# KiCad board HandheldPIC32.kicad_pcb
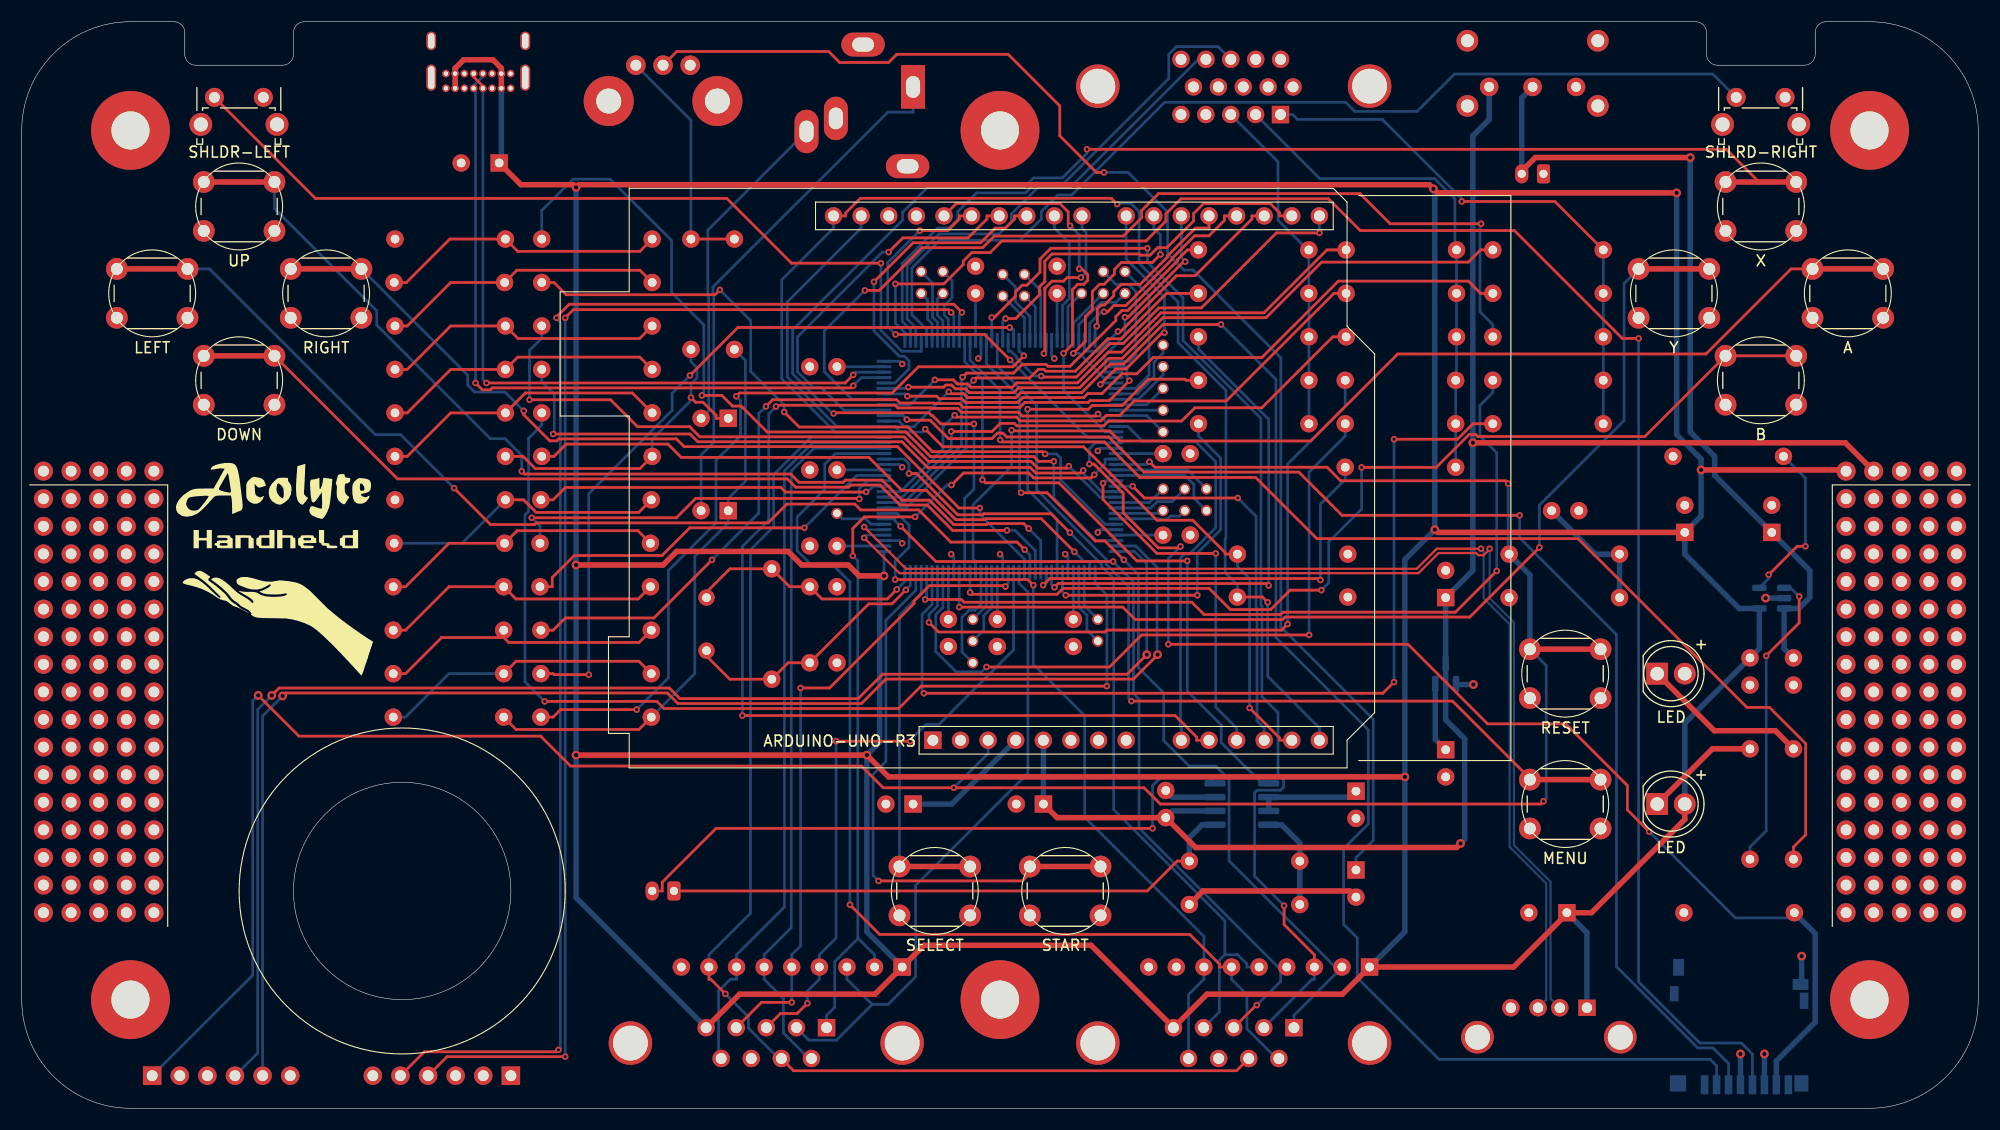
[diagram p0: board, top side]
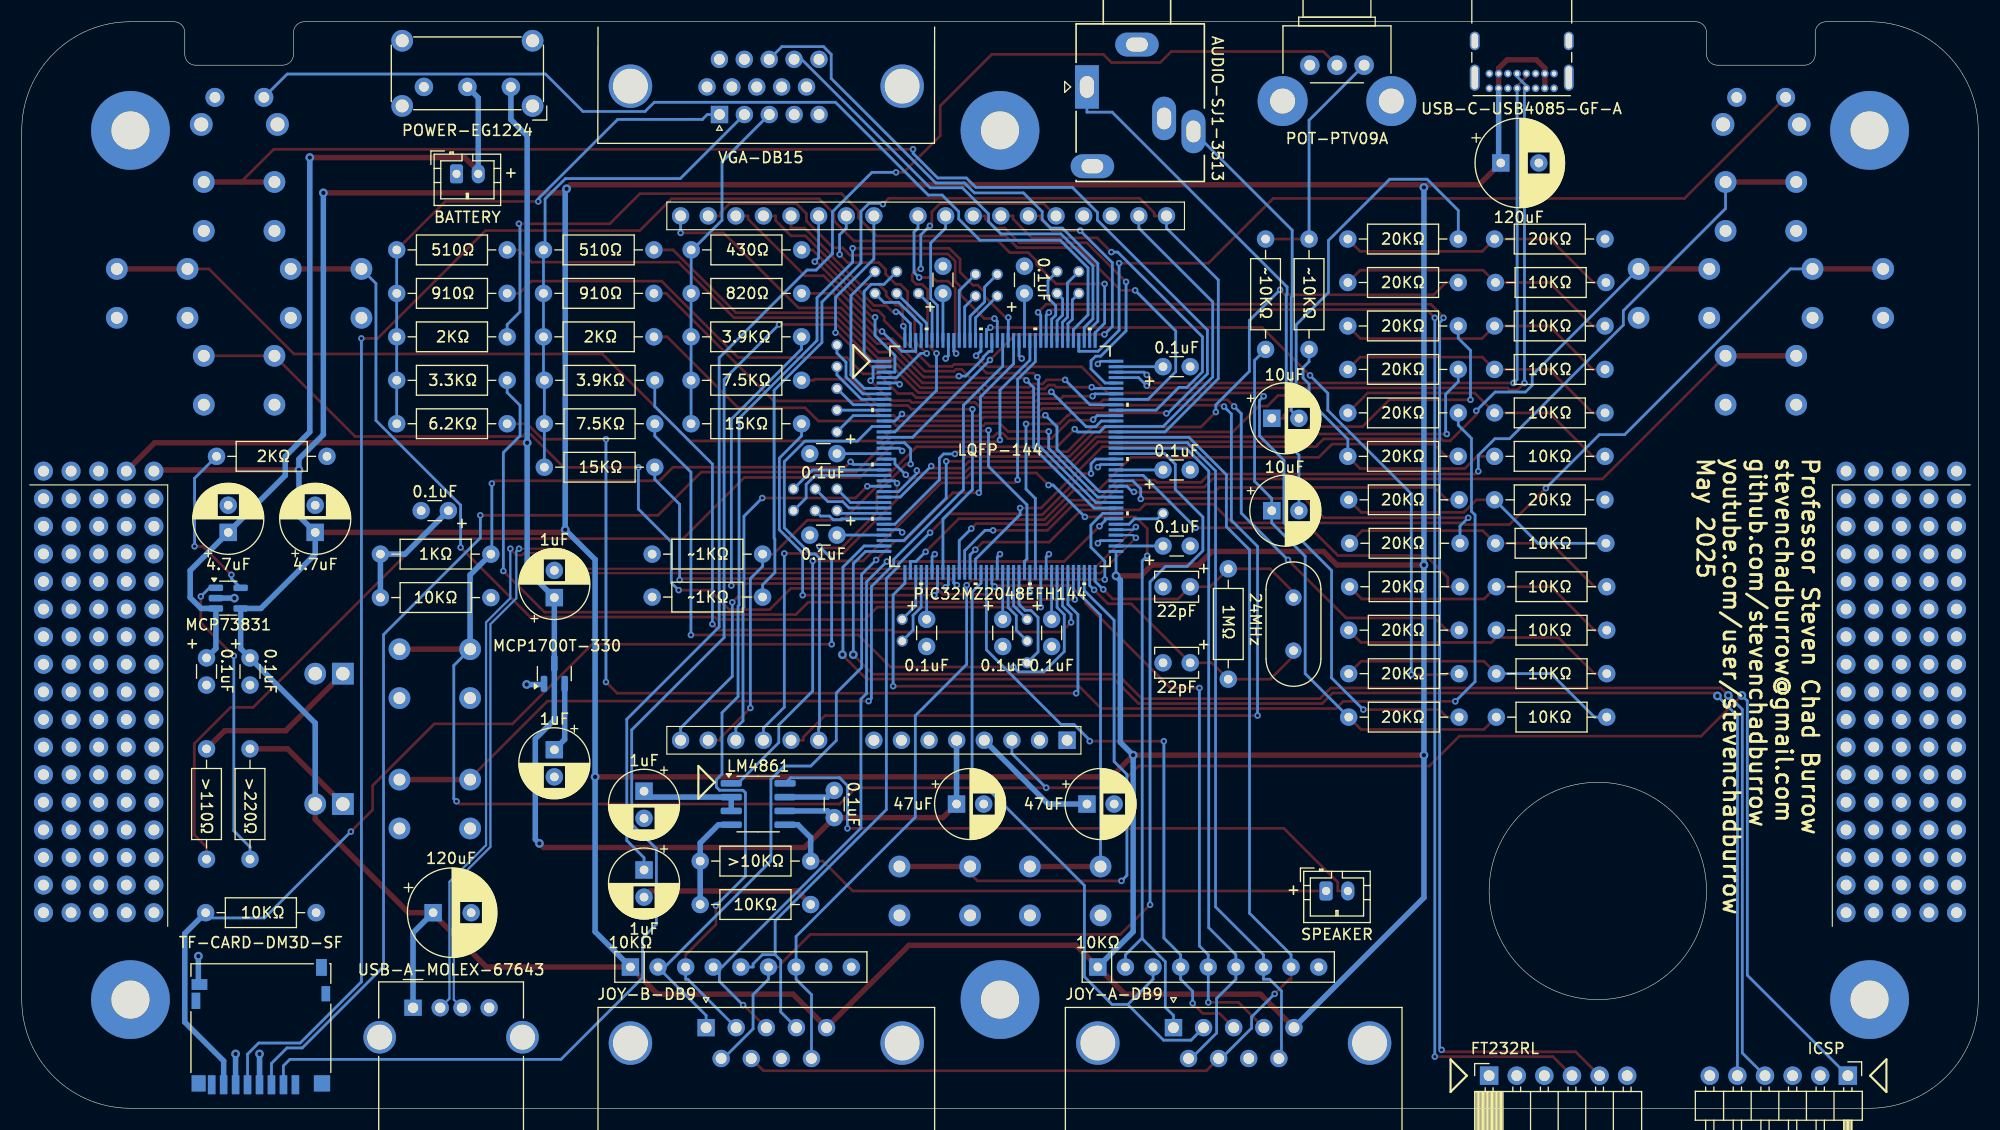
[diagram p1: board, bottom side, seen from below]

Outline 180 x 100 mm; copper layers: Top, In1.Cu, In2.Cu, Bottom. Coordinates in mm from the lower left corner of the outline.
Outline path: circle c35,20 r10 ; 0,90 0,10 arc(2.93,2.93) 10,0 170,0 arc(177.07,2.93) 180,10 180,90 arc(177.07,97.07) 170,100 166,100 arc(165.29,99.71) 165,99 165,97 arc(164.71,96.29) 164,96 156,96 arc(155.29,96.29) 155,97 155,99 arc(154.71,99.71) 154,100 26,100 arc(25.29,99.71) 25,99 25,97 arc(24.71,96.29) 24,96 16,96 arc(15.29,96.29) 15,97 15,99 arc(14.71,99.71) 14,100 10,100 arc(2.93,97.07) 0,90
Stack: Top 0.035mm / dielectric 0.1mm FR4 er 4.5 / In1.Cu 0.035mm / dielectric 1.24mm FR4 er 4.5 / In2.Cu 0.035mm / dielectric 0.1mm FR4 er 4.5 / Bottom 0.035mm

## Placement (name value [footprint] x y rotation side)
A1  Arduino_UNO_R3  [Arduino_UNO_R3-modified]  83.82 33.87 0 top
BT1  Battery_Cell  [JST_PH_B2B-PH-K_1x02_P2.00mm_Vertical]  140 86 180 bottom
C1  C_Polarized_Small_US  [CP_Radial_D6.3mm_P2.50mm]  131 47 90 bottom
C2  C  [C_Disc_D3.8mm_W2.6mm_P2.50mm]  72.5 41 0 bottom
C3  C  [C_Disc_D3.8mm_W2.6mm_P2.50mm]  72.5 48 0 bottom
C4  C_Small  [C_Disc_D3.0mm_W1.6mm_P2.50mm]  163 41.45 270 bottom
C5  C_Small  [C_Disc_D3.0mm_W1.6mm_P2.50mm]  143.25 55 180 bottom
C6  C_Small  [C_Disc_D3.0mm_W1.6mm_P2.50mm]  95.25 77.5 270 bottom
C7  C_Small  [C_Disc_D3.0mm_W1.6mm_P2.50mm]  87.75 77.5 270 bottom
C8  C_Small  [C_Disc_D3.0mm_W1.6mm_P2.50mm]  72.5 68.25 0 bottom
C9  C_Small  [C_Disc_D3.0mm_W1.6mm_P2.50mm]  72.5 58.75 0 bottom
C10  C_Small  [C_Disc_D3.0mm_W1.6mm_P2.50mm]  72.5 51.75 0 bottom
C11  C_Small  [C_Disc_D3.0mm_W1.6mm_P2.50mm]  85.25 42.5 90 bottom
C12  C_Small  [C_Disc_D3.0mm_W1.6mm_P2.50mm]  89.75 42.5 90 bottom
C13  C_Small  [C_Disc_D3.0mm_W1.6mm_P2.50mm]  96.75 42.5 90 bottom
C14  C_Small  [C_Disc_D3.0mm_W1.6mm_P2.50mm]  107.5 52.75 180 bottom
C15  C_Small  [C_Disc_D3.0mm_W1.6mm_P2.50mm]  107.5 60.25 180 bottom
C16  C_Polarized_Small_US  [CP_Radial_D8.0mm_P3.50mm]  43.93 87 180 bottom
C17  C_Polarized_Small_US  [CP_Radial_D8.0mm_P3.50mm]  142.15 18 180 bottom
C18  C_Polarized_Small_US  [CP_Radial_D6.3mm_P2.50mm]  122.75 29.18 270 bottom
C19  C_Polarized_Small_US  [CP_Radial_D6.3mm_P2.50mm]  122.75 21.93 270 bottom
C20  C_Small  [C_Disc_D3.0mm_W1.6mm_P2.50mm]  159 41.45 270 bottom
C21  C_Polarized_Small_US  [CP_Radial_D6.3mm_P2.50mm]  65 55 180 bottom
C22  C_Polarized_Small_US  [CP_Radial_D6.3mm_P2.50mm]  82 28 180 bottom
C23  C_Polarized_Small_US  [CP_Radial_D6.3mm_P2.50mm]  131 33 270 bottom
C24  C_Polarized_Small_US  [CP_Radial_D6.3mm_P2.50mm]  94 28 180 bottom
C25  C_Polarized_Small_US  [CP_Radial_D6.3mm_P2.50mm]  161 53 90 bottom
C26  C_Polarized_Small_US  [CP_Radial_D6.3mm_P2.50mm]  153 53 90 bottom
C27  C_Polarized_Small_US  [CP_Radial_D6.3mm_P2.50mm]  65 63.5 180 bottom
C33  C_Small  [C_Disc_D3.0mm_W1.6mm_P2.50mm]  105.25 26.75 90 bottom
D1  LED  [CustomLED]  150.46 40 0 top
D3  LED  [CustomLED]  150.46 28 0 top
G100  LOGO  [AcolyteTitle]  23.5 57 0 top
G101  LOGO  [HandheldNoPIC]  23.5 51 0 top
G102  LOGO  [HandheldImage]  23.5 45 0 top
J1  DE15_Receptacle_HighDensity  [DSUB-15-HD_Female_Horizontal_P2.29x2.54mm_VGA]  115.81 91.46 0 bottom
J2  Conn_01x06  [PinHeader_1x06_P2.54mm_Horizontal]  12 3 270 bottom
J3  Conn_01x06  [PinSocket_1x06_P2.54mm_Horizontal]  45 3 90 bottom
J4  AudioJack3  [BIGJack_3.5mm_Ledino_KB3SPRS_Horizontal]  82 94 270 bottom
J6  USB_A  [USB_A_Molex_67643_Horizontal]  144 9.25 180 bottom
J8  DE9_Plug  [DSUB-9_Male_Horizontal_P2.77x2.84mm_EdgePinOffset7.70mm_Housed_MountingHolesOffset9.12mm]  74.04 7.42 180 bottom
J9  DE9_Plug  [DSUB-9_Male_Horizontal_P2.77x2.84mm_EdgePinOffset7.70mm_Housed_MountingHolesOffset9.12mm]  117.04 7.42 180 bottom
J10  USB_C_Receptacle  [USB_C_Receptacle_GCT_USB4085]  39.03 93.88 0 bottom
J11  Micro_TF_Card  [microSD_HC_Hirose_DM3D-SF]  158 7.51 180 bottom
LS1  Speaker  [JST_PH_B2B-PH-K_1x02_P2.00mm_Vertical]  60 20 180 bottom
R1  R_US  [R_Axial_DIN0207_L6.3mm_D2.5mm_P10.16mm_Horizontal]  118.41 75 180 bottom
R2  R_US  [R_Axial_DIN0207_L6.3mm_D2.5mm_P10.16mm_Horizontal]  118.41 79 180 bottom
R3  R_US  [R_Axial_DIN0207_L6.3mm_D2.5mm_P10.16mm_Horizontal]  132 71 180 bottom
R4  R_US  [R_Axial_DIN0207_L6.3mm_D2.5mm_P10.16mm_Horizontal]  132 75 180 bottom
R5  R_US  [R_Axial_DIN0207_L6.3mm_D2.5mm_P10.16mm_Horizontal]  132 79 180 bottom
R6  R_US  [R_Axial_DIN0207_L6.3mm_D2.5mm_P10.16mm_Horizontal]  145.5 71 180 bottom
R7  R_US  [R_Axial_DIN0207_L6.3mm_D2.5mm_P10.16mm_Horizontal]  145.5 75 180 bottom
R8  R_US  [R_Axial_DIN0207_L6.3mm_D2.5mm_P10.16mm_Horizontal]  145.5 79 180 bottom
R9  R_US  [R_Axial_DIN0207_L6.3mm_D2.5mm_P10.16mm_Horizontal]  69 39.49 90 bottom
R10  R_US  [R_Axial_DIN0207_L6.3mm_D2.5mm_P10.16mm_Horizontal]  118.42 63 180 bottom
R11  R_US  [R_Axial_DIN0207_L6.3mm_D2.5mm_P10.16mm_Horizontal]  118.42 67 180 bottom
R12  R_US  [R_Axial_DIN0207_L6.3mm_D2.5mm_P10.16mm_Horizontal]  118.42 71 180 bottom
R13  R_US  [R_Axial_DIN0207_L6.3mm_D2.5mm_P10.16mm_Horizontal]  131.92 59 180 bottom
R14  R_US  [R_Axial_DIN0207_L6.3mm_D2.5mm_P10.16mm_Horizontal]  131.92 63 180 bottom
R15  R_US  [R_Axial_DIN0207_L6.3mm_D2.5mm_P10.16mm_Horizontal]  131.92 67 180 bottom
R16  R_US  [R_Axial_DIN0207_L6.3mm_D2.5mm_P10.16mm_Horizontal]  145.5 63 180 bottom
R17  R_US  [R_Axial_DIN0207_L6.3mm_D2.5mm_P10.16mm_Horizontal]  145.5 67 180 bottom
R18  R_US  [R_Axial_DIN0207_L6.3mm_D2.5mm_P10.16mm_Horizontal]  147 51 180 bottom
R19  R_US  [R_Axial_DIN0207_L6.3mm_D2.5mm_P10.16mm_Horizontal]  44.42 52 180 bottom
R20  R_US  [R_Axial_DIN0207_L6.3mm_D2.5mm_P10.16mm_Horizontal]  162.08 60 180 bottom
R21  R_US  [R_Axial_DIN0207_L6.3mm_D2.5mm_P10.16mm_Horizontal]  147 47 180 bottom
R22  R_US  [R_Axial_DIN0207_L6.3mm_D2.5mm_P10.16mm_Horizontal]  163.08 18 180 bottom
R23  R_US  [R_Axial_DIN0207_L6.3mm_D2.5mm_P10.16mm_Horizontal]  57.92 40 180 bottom
R24  R_US  [R_Axial_DIN0207_L6.3mm_D2.5mm_P10.16mm_Horizontal]  44.34 48 180 bottom
R25  R_US  [R_Axial_DIN0207_L6.3mm_D2.5mm_P10.16mm_Horizontal]  163 33.08 270 bottom
R26  R_US  [R_Axial_DIN0207_L6.3mm_D2.5mm_P10.16mm_Horizontal]  57.92 44 180 bottom
R27  R_US  [R_Axial_DIN0207_L6.3mm_D2.5mm_P10.16mm_Horizontal]  44.34 44 180 bottom
R28  R_US  [R_Axial_DIN0207_L6.3mm_D2.5mm_P10.16mm_Horizontal]  57.84 48 180 bottom
R29  R_US  [R_Axial_DIN0207_L6.3mm_D2.5mm_P10.16mm_Horizontal]  44.34 40 180 bottom
R30  R_US  [R_Axial_DIN0207_L6.3mm_D2.5mm_P10.16mm_Horizontal]  44.5 80 180 bottom
R31  R_US  [R_Axial_DIN0207_L6.3mm_D2.5mm_P10.16mm_Horizontal]  57.84 52 180 bottom
R32  R_US  [R_Axial_DIN0207_L6.3mm_D2.5mm_P10.16mm_Horizontal]  57.92 56 180 bottom
R33  R_US  [R_Axial_DIN0207_L6.3mm_D2.5mm_P10.16mm_Horizontal]  44.5 56 180 bottom
R34  R_US  [R_Axial_DIN0207_L6.3mm_D2.5mm_P10.16mm_Horizontal]  44.34 36 180 bottom
R35  R_US  [R_Axial_DIN0207_L6.3mm_D2.5mm_P10.16mm_Horizontal]  122 47.05 180 bottom
R36  R_US  [R_Axial_DIN0207_L6.3mm_D2.5mm_P10.16mm_Horizontal]  159 33.08 270 bottom
R37  R_US  [R_Axial_DIN0207_L6.3mm_D2.5mm_P10.16mm_Horizontal]  57.92 36 180 bottom
R38  R_US  [R_Axial_DIN0207_L6.3mm_D2.5mm_P10.16mm_Horizontal]  122 51 180 bottom
R39  R_US  [R_Axial_DIN0207_L6.3mm_D2.5mm_P10.16mm_Horizontal]  58 80 180 bottom
R40  R_US  [R_Axial_DIN0207_L6.3mm_D2.5mm_P10.16mm_Horizontal]  44.42 76 180 bottom
R41  R_US  [R_Axial_DIN0207_L6.3mm_D2.5mm_P10.16mm_Horizontal]  58 76 180 bottom
R42  R_US  [R_Axial_DIN0207_L6.3mm_D2.5mm_P10.16mm_Horizontal]  44.5 72 180 bottom
R43  R_US  [R_Axial_DIN0207_L6.3mm_D2.5mm_P10.16mm_Horizontal]  58 72 180 bottom
R44  R_US  [R_Axial_DIN0207_L6.3mm_D2.5mm_P10.16mm_Horizontal]  44.5 68 180 bottom
R45  R_US  [R_Axial_DIN0207_L6.3mm_D2.5mm_P10.16mm_Horizontal]  58 68 180 bottom
R46  R_US  [R_Axial_DIN0207_L6.3mm_D2.5mm_P10.16mm_Horizontal]  44.5 64 180 bottom
R47  R_US  [R_Axial_DIN0207_L6.3mm_D2.5mm_P10.16mm_Horizontal]  58 64 180 bottom
R48  R_US  [R_Axial_DIN0207_L6.3mm_D2.5mm_P10.16mm_Horizontal]  44.5 60 180 bottom
R49  R_US  [R_Axial_DIN0207_L6.3mm_D2.5mm_P10.16mm_Horizontal]  58 60 180 bottom
R50  R_US  [R_Axial_DIN0207_L6.3mm_D2.5mm_P10.16mm_Horizontal]  65.57 69.84 90 bottom
R51  R_US  [R_Axial_DIN0207_L6.3mm_D2.5mm_P10.16mm_Horizontal]  61.57 80 270 bottom
R53  R_US  [R_Axial_DIN0207_L6.3mm_D2.5mm_P10.16mm_Horizontal]  107.42 18.75 0 bottom
R54  R_US  [R_Axial_DIN0207_L6.3mm_D2.5mm_P10.16mm_Horizontal]  117.58 22.75 180 bottom
RN1  R_Network08_US  [R_Array_SIP9]  81 13 180 bottom
RN2  R_Network08_US  [R_Array_SIP9]  124 13 180 bottom
RV1  R_Potentiometer_US  [Potentiometer_Bourns_PTV09A-2_Single_Horizontal]  56.5 96 90 bottom
SW1  SW_Push  [SW_PUSH_6mm_H8mm]  92.75 22.25 0 top
SW2  SW_Push  [SW_PUSH_6mm_H8mm]  80.75 22.25 0 top
SW3  SW_Push  [SW_PUSH_6mm_H8mm]  16.75 85.25 0 top
SW4  SW_SPDT  [SW_E-Switch_EG1224_SPDT_Angled]  135 94 0 bottom
SW5  SW_Push  [SW_PUSH_6mm_H8mm]  16.75 69.25 0 top
SW6  SW_Push  [SW_PUSH_6mm_H8mm]  8.75 77.25 0 top
SW7  SW_Push  [SW_PUSH_6mm_H8mm]  24.75 77.25 0 top
SW8  SW_Push  [SW_PUSH_6mm_H8mm]  164.75 77.25 0 top
SW9  SW_Push  [SW_PUSH_6mm_H8mm]  156.75 69.25 0 top
SW10  SW_Push  [SW_PUSH_6mm_H8mm]  156.75 85.25 0 top
SW11  SW_Push  [SW_PUSH_6mm_H8mm]  148.75 77.25 0 top
SW12  SW_Push  [SW_PUSH_6mm_H8mm]  138.75 30.25 0 top
SW14  SW_Push  [SW_Tactile_SPST_Angled_PTS645Vx83-2LFS]  17.72 93.04 0 top
SW15  SW_Push  [SW_PUSH_6mm_H8mm]  138.75 42.25 0 top
SW16  SW_Push  [SW_Tactile_SPST_Angled_PTS645Vx83-2LFS]  157.72 93.04 0 top
TP1  TestPoint  [ScrewHole-4-40]  170 90 0 top
TP2  TestPoint  [ScrewHole-4-40]  10 90 0 top
TP3  TestPoint  [ScrewHole-4-40]  90 10 0 top
TP4  TestPoint  [ScrewHole-4-40]  90 90 0 top
TP5  TestPoint  [TestPointStdTHT]  167.84 56.1 0 top
TP6  TestPoint  [ScrewHole-4-40]  170 10 0 top
TP7  TestPoint  [ScrewHole-4-40]  10 10 0 top
TP8  TestPoint  [TestPointStdTHT]  167.84 58.64 90 top
TP9  TestPoint  [TestPointStdTHT]  170.38 58.64 90 top
TP10  TestPoint  [TestPointStdTHT]  172.92 58.64 90 top
TP11  TestPoint  [TestPointStdTHT]  175.46 58.64 90 top
TP12  TestPoint  [TestPointStdTHT]  178 58.64 90 top
TP13  TestPoint  [TestPoint_custom_THTPad_D1.5mm_Drill0.7mm]  87.5 43 0 top
TP14  TestPoint  [TestPoint_custom_THTPad_D1.5mm_Drill0.7mm]  109 55 0 top
TP15  TestPoint  [TestPoint_custom_THTPad_D1.5mm_Drill0.7mm]  99 45 0 top
TP16  TestPoint  [TestPoint_custom_THTPad_D1.5mm_Drill0.7mm]  99 43 0 top
TP17  TestPoint  [TestPoint_custom_THTPad_D1.5mm_Drill0.7mm]  101.5 77 0 top
TP18  TestPoint  [TestPointStdTHT]  167.84 51.02 0 top
TP19  TestPoint  [TestPointStdTHT]  167.84 45.94 0 top
TP20  TestPoint  [TestPointStdTHT]  167.84 40.86 0 top
TP21  TestPoint  [TestPointStdTHT]  167.84 35.78 0 top
TP22  TestPoint  [TestPointStdTHT]  167.84 30.7 0 top
TP23  TestPoint  [TestPointStdTHT]  167.84 25.62 0 top
TP24  TestPoint  [TestPointStdTHT]  167.84 20.54 0 top
TP25  TestPoint  [TestPointStdTHT]  170.38 56.1 0 top
TP26  TestPoint  [TestPointStdTHT]  170.38 51.02 0 top
TP27  TestPoint  [TestPointStdTHT]  170.38 45.94 0 top
TP28  TestPoint  [TestPointStdTHT]  170.38 40.86 0 top
TP29  TestPoint  [TestPointStdTHT]  170.38 35.78 0 top
TP30  TestPoint  [TestPointStdTHT]  170.38 30.7 0 top
TP31  TestPoint  [TestPointStdTHT]  170.38 25.62 0 top
TP32  TestPoint  [TestPointStdTHT]  170.38 20.54 0 top
TP33  TestPoint  [TestPointStdTHT]  172.92 56.1 0 top
TP34  TestPoint  [TestPointStdTHT]  172.92 51.02 0 top
TP35  TestPoint  [TestPointStdTHT]  172.92 45.94 0 top
TP36  TestPoint  [TestPointStdTHT]  172.92 40.86 0 top
TP37  TestPoint  [TestPointStdTHT]  172.92 35.78 0 top
TP38  TestPoint  [TestPointStdTHT]  172.92 30.7 0 top
TP39  TestPoint  [TestPointStdTHT]  172.92 25.62 0 top
TP40  TestPoint  [TestPointStdTHT]  172.92 20.54 0 top
TP41  TestPoint  [TestPointStdTHT]  175.46 56.1 0 top
TP42  TestPoint  [TestPointStdTHT]  175.46 51.02 0 top
TP43  TestPoint  [TestPointStdTHT]  175.46 45.94 0 top
TP44  TestPoint  [TestPointStdTHT]  175.46 40.86 0 top
TP45  TestPoint  [TestPointStdTHT]  175.46 35.78 0 top
TP46  TestPoint  [TestPointStdTHT]  175.46 30.7 0 top
TP47  TestPoint  [TestPointStdTHT]  175.46 25.62 0 top
TP48  TestPoint  [TestPointStdTHT]  175.46 20.54 0 top
TP49  TestPoint  [TestPointStdTHT]  178 56.1 0 top
TP50  TestPoint  [TestPointStdTHT]  178 51.02 0 top
TP51  TestPoint  [TestPointStdTHT]  178 45.94 0 top
TP52  TestPoint  [TestPointStdTHT]  178 40.86 0 top
TP53  TestPoint  [TestPointStdTHT]  178 35.78 0 top
TP54  TestPoint  [TestPointStdTHT]  178 30.7 0 top
TP55  TestPoint  [TestPointStdTHT]  178 25.62 0 top
TP56  TestPoint  [TestPointStdTHT]  178 20.54 0 top
TP57  TestPoint  [TestPointStdTHT]  167.84 53.56 0 top
TP58  TestPoint  [TestPointStdTHT]  167.84 48.48 0 top
TP59  TestPoint  [TestPointStdTHT]  167.84 43.4 0 top
TP60  TestPoint  [TestPointStdTHT]  167.84 38.32 0 top
TP61  TestPoint  [TestPointStdTHT]  167.84 33.24 0 top
TP62  TestPoint  [TestPointStdTHT]  167.84 28.16 0 top
TP63  TestPoint  [TestPointStdTHT]  167.84 23.08 0 top
TP64  TestPoint  [TestPointStdTHT]  167.84 18 0 top
TP65  TestPoint  [TestPointStdTHT]  170.38 53.56 0 top
TP66  TestPoint  [TestPointStdTHT]  170.38 48.48 0 top
TP67  TestPoint  [TestPointStdTHT]  170.38 43.4 0 top
TP68  TestPoint  [TestPointStdTHT]  170.38 38.32 0 top
TP69  TestPoint  [TestPointStdTHT]  170.38 33.24 0 top
TP70  TestPoint  [TestPointStdTHT]  170.38 28.16 0 top
TP71  TestPoint  [TestPointStdTHT]  170.38 23.08 0 top
TP72  TestPoint  [TestPointStdTHT]  170.38 18 0 top
TP73  TestPoint  [TestPointStdTHT]  172.92 53.56 0 top
TP74  TestPoint  [TestPointStdTHT]  172.92 48.48 0 top
TP75  TestPoint  [TestPointStdTHT]  172.92 43.4 0 top
TP76  TestPoint  [TestPointStdTHT]  172.92 38.32 0 top
TP77  TestPoint  [TestPointStdTHT]  172.92 33.24 0 top
TP78  TestPoint  [TestPointStdTHT]  172.92 28.16 0 top
TP79  TestPoint  [TestPointStdTHT]  172.92 23.08 0 top
TP80  TestPoint  [TestPointStdTHT]  172.92 18 0 top
TP81  TestPoint  [TestPointStdTHT]  175.46 53.56 0 top
TP82  TestPoint  [TestPointStdTHT]  175.46 48.48 0 top
TP83  TestPoint  [TestPointStdTHT]  175.46 43.4 0 top
TP84  TestPoint  [TestPointStdTHT]  175.46 38.32 0 top
TP85  TestPoint  [TestPointStdTHT]  175.46 33.24 0 top
TP86  TestPoint  [TestPointStdTHT]  175.46 28.16 0 top
TP87  TestPoint  [TestPointStdTHT]  175.46 23.08 0 top
TP88  TestPoint  [TestPoint_custom_THTPad_D1.5mm_Drill0.7mm]  105 62.25 0 top
TP89  TestPoint  [TestPoint_custom_THTPad_D1.5mm_Drill0.7mm]  75 54.75 0 top
TP90  TestPoint  [TestPoint_custom_THTPad_D1.5mm_Drill0.7mm]  87.5 41 0 top
TP91  TestPoint  [TestPoint_custom_THTPad_D1.5mm_Drill0.7mm]  87.5 45 0 top
TP92  TestPoint  [TestPoint_custom_THTPad_D1.5mm_Drill0.7mm]  82.75 75 0 top
TP93  TestPoint  [TestPoint_custom_THTPad_D1.5mm_Drill0.7mm]  82.75 77 0 top
TP94  TestPoint  [TestPoint_custom_THTPad_D1.5mm_Drill0.7mm]  84.75 75 0 top
TP95  TestPoint  [TestPoint_custom_THTPad_D1.5mm_Drill0.7mm]  84.75 77 0 top
TP96  TestPoint  [TestPoint_custom_THTPad_D1.5mm_Drill0.7mm]  90.25 74.75 0 top
TP97  TestPoint  [TestPoint_custom_THTPad_D1.5mm_Drill0.7mm]  90.25 76.75 0 top
TP98  TestPoint  [TestPoint_custom_THTPad_D1.5mm_Drill0.7mm]  92.25 74.75 0 top
TP99  TestPoint  [TestPoint_custom_THTPad_D1.5mm_Drill0.7mm]  92.25 76.75 0 top
TP100  TestPoint  [TestPoint_custom_THTPad_D1.5mm_Drill0.7mm]  105 70.25 0 top
TP101  TestPoint  [TestPoint_custom_THTPad_D1.5mm_Drill0.7mm]  105 68.25 0 top
TP102  TestPoint  [TestPoint_custom_THTPad_D1.5mm_Drill0.7mm]  105 64.25 0 top
TP103  TestPoint  [TestPoint_custom_THTPad_D1.5mm_Drill0.7mm]  105 57 0 top
TP104  TestPoint  [TestPoint_custom_THTPad_D1.5mm_Drill0.7mm]  105 66.25 0 top
TP105  TestPoint  [TestPoint_custom_THTPad_D1.5mm_Drill0.7mm]  107 57 0 top
TP106  TestPoint  [TestPoint_custom_THTPad_D1.5mm_Drill0.7mm]  105 55 0 top
TP107  TestPoint  [TestPoint_custom_THTPad_D1.5mm_Drill0.7mm]  107 55 0 top
TP108  TestPoint  [TestPoint_custom_THTPad_D1.5mm_Drill0.7mm]  109 57 0 top
TP109  TestPoint  [TestPoint_custom_THTPad_D1.5mm_Drill0.7mm]  99.5 75 0 top
TP110  TestPoint  [TestPoint_custom_THTPad_D1.5mm_Drill0.7mm]  101.5 75 0 top
TP111  TestPoint  [TestPoint_custom_THTPad_D1.5mm_Drill0.7mm]  97.5 75 0 top
TP112  TestPoint  [TestPoint_custom_THTPad_D1.5mm_Drill0.7mm]  99.5 77 0 top
TP117  TestPoint  [TestPointStdTHT]  12.16 58.64 0 top
TP118  TestPoint  [TestPointStdTHT]  9.62 58.64 0 top
TP119  TestPoint  [TestPointStdTHT]  7.08 58.64 0 top
TP120  TestPoint  [TestPointStdTHT]  4.54 58.64 0 top
TP121  TestPoint  [TestPointStdTHT]  2 58.64 0 top
TP122  TestPoint  [TestPointStdTHT]  12.16 56.1 0 top
TP123  TestPoint  [TestPointStdTHT]  9.62 56.1 0 top
TP124  TestPoint  [TestPointStdTHT]  7.08 56.1 0 top
TP125  TestPoint  [TestPointStdTHT]  4.54 18 0 top
TP126  TestPoint  [TestPointStdTHT]  7.08 18 0 top
TP127  TestPoint  [TestPointStdTHT]  4.54 56.1 0 top
TP128  TestPoint  [TestPointStdTHT]  2 56.1 0 top
TP129  TestPoint  [TestPointStdTHT]  12.16 53.56 0 top
TP130  TestPoint  [TestPointStdTHT]  9.62 53.56 0 top
TP131  TestPoint  [TestPointStdTHT]  7.08 53.56 0 top
TP132  TestPoint  [TestPointStdTHT]  4.54 53.56 0 top
TP133  TestPoint  [TestPointStdTHT]  2 53.56 0 top
TP134  TestPoint  [TestPointStdTHT]  12.16 51.02 0 top
TP135  TestPoint  [TestPointStdTHT]  9.62 51.02 0 top
TP136  TestPoint  [TestPointStdTHT]  7.08 51.02 0 top
TP137  TestPoint  [TestPointStdTHT]  4.54 51.02 0 top
TP138  TestPoint  [TestPointStdTHT]  2 51.02 0 top
TP139  TestPoint  [TestPointStdTHT]  12.16 48.48 0 top
TP140  TestPoint  [TestPointStdTHT]  9.62 48.48 0 top
TP141  TestPoint  [TestPointStdTHT]  7.08 48.48 0 top
TP142  TestPoint  [TestPointStdTHT]  4.54 48.48 0 top
TP143  TestPoint  [TestPointStdTHT]  2 48.48 0 top
TP144  TestPoint  [TestPointStdTHT]  12.16 45.94 0 top
TP145  TestPoint  [TestPointStdTHT]  9.62 45.94 0 top
TP146  TestPoint  [TestPointStdTHT]  7.08 45.94 0 top
TP147  TestPoint  [TestPointStdTHT]  4.54 45.94 0 top
TP148  TestPoint  [TestPointStdTHT]  2 45.94 0 top
TP149  TestPoint  [TestPointStdTHT]  12.16 43.4 0 top
TP150  TestPoint  [TestPointStdTHT]  2 18 0 top
TP151  TestPoint  [TestPointStdTHT]  175.46 18 0 top
TP152  TestPoint  [TestPointStdTHT]  178 53.56 0 top
TP153  TestPoint  [TestPointStdTHT]  178 48.48 0 top
TP154  TestPoint  [TestPointStdTHT]  178 43.4 0 top
TP155  TestPoint  [TestPointStdTHT]  178 38.32 0 top
TP156  TestPoint  [TestPointStdTHT]  178 33.24 0 top
TP157  TestPoint  [TestPointStdTHT]  178 28.16 0 top
TP158  TestPoint  [TestPointStdTHT]  178 23.08 0 top
TP159  TestPoint  [TestPointStdTHT]  178 18 0 top
TP160  TestPoint  [TestPointStdTHT]  9.62 43.4 0 top
TP161  TestPoint  [TestPointStdTHT]  7.08 43.4 0 top
TP162  TestPoint  [TestPointStdTHT]  4.54 43.4 0 top
TP163  TestPoint  [TestPointStdTHT]  2 43.4 0 top
TP164  TestPoint  [TestPointStdTHT]  12.16 40.86 0 top
TP165  TestPoint  [TestPointStdTHT]  9.62 40.86 0 top
TP166  TestPoint  [TestPointStdTHT]  7.08 40.86 0 top
TP167  TestPoint  [TestPointStdTHT]  4.54 40.86 0 top
TP168  TestPoint  [TestPointStdTHT]  2 40.86 0 top
TP169  TestPoint  [TestPointStdTHT]  12.16 38.32 0 top
TP170  TestPoint  [TestPointStdTHT]  9.62 38.32 0 top
TP171  TestPoint  [TestPointStdTHT]  7.08 38.32 0 top
TP172  TestPoint  [TestPointStdTHT]  4.54 38.32 0 top
TP173  TestPoint  [TestPointStdTHT]  2 38.32 0 top
TP174  TestPoint  [TestPointStdTHT]  12.16 35.78 0 top
TP175  TestPoint  [TestPointStdTHT]  9.62 35.78 0 top
TP176  TestPoint  [TestPointStdTHT]  7.08 35.78 0 top
TP177  TestPoint  [TestPointStdTHT]  4.54 35.78 0 top
TP178  TestPoint  [TestPointStdTHT]  2 35.78 0 top
TP179  TestPoint  [TestPointStdTHT]  12.16 33.24 0 top
TP180  TestPoint  [TestPointStdTHT]  9.62 33.24 0 top
TP181  TestPoint  [TestPointStdTHT]  7.08 33.24 0 top
TP182  TestPoint  [TestPointStdTHT]  4.54 33.24 0 top
TP183  TestPoint  [TestPointStdTHT]  2 33.24 0 top
TP184  TestPoint  [TestPointStdTHT]  12.16 30.7 0 top
TP185  TestPoint  [TestPointStdTHT]  9.62 30.7 0 top
TP186  TestPoint  [TestPointStdTHT]  7.08 30.7 0 top
TP187  TestPoint  [TestPointStdTHT]  4.54 30.7 0 top
TP188  TestPoint  [TestPointStdTHT]  2 30.7 0 top
TP189  TestPoint  [TestPointStdTHT]  12.16 28.16 0 top
TP190  TestPoint  [TestPointStdTHT]  9.62 28.16 0 top
TP191  TestPoint  [TestPointStdTHT]  7.08 28.16 0 top
TP192  TestPoint  [TestPointStdTHT]  4.54 28.16 0 top
TP193  TestPoint  [TestPointStdTHT]  2 28.16 0 top
TP194  TestPoint  [TestPointStdTHT]  12.16 25.62 0 top
TP195  TestPoint  [TestPointStdTHT]  9.62 25.62 0 top
TP196  TestPoint  [TestPointStdTHT]  7.08 25.62 0 top
TP197  TestPoint  [TestPointStdTHT]  4.54 25.62 0 top
TP198  TestPoint  [TestPointStdTHT]  2 25.62 0 top
TP199  TestPoint  [TestPointStdTHT]  12.16 23.08 0 top
TP200  TestPoint  [TestPointStdTHT]  9.62 23.08 0 top
TP201  TestPoint  [TestPointStdTHT]  7.08 23.08 0 top
TP202  TestPoint  [TestPointStdTHT]  4.54 23.08 0 top